# Allegro board PROC048A_BRD.brd (continued)
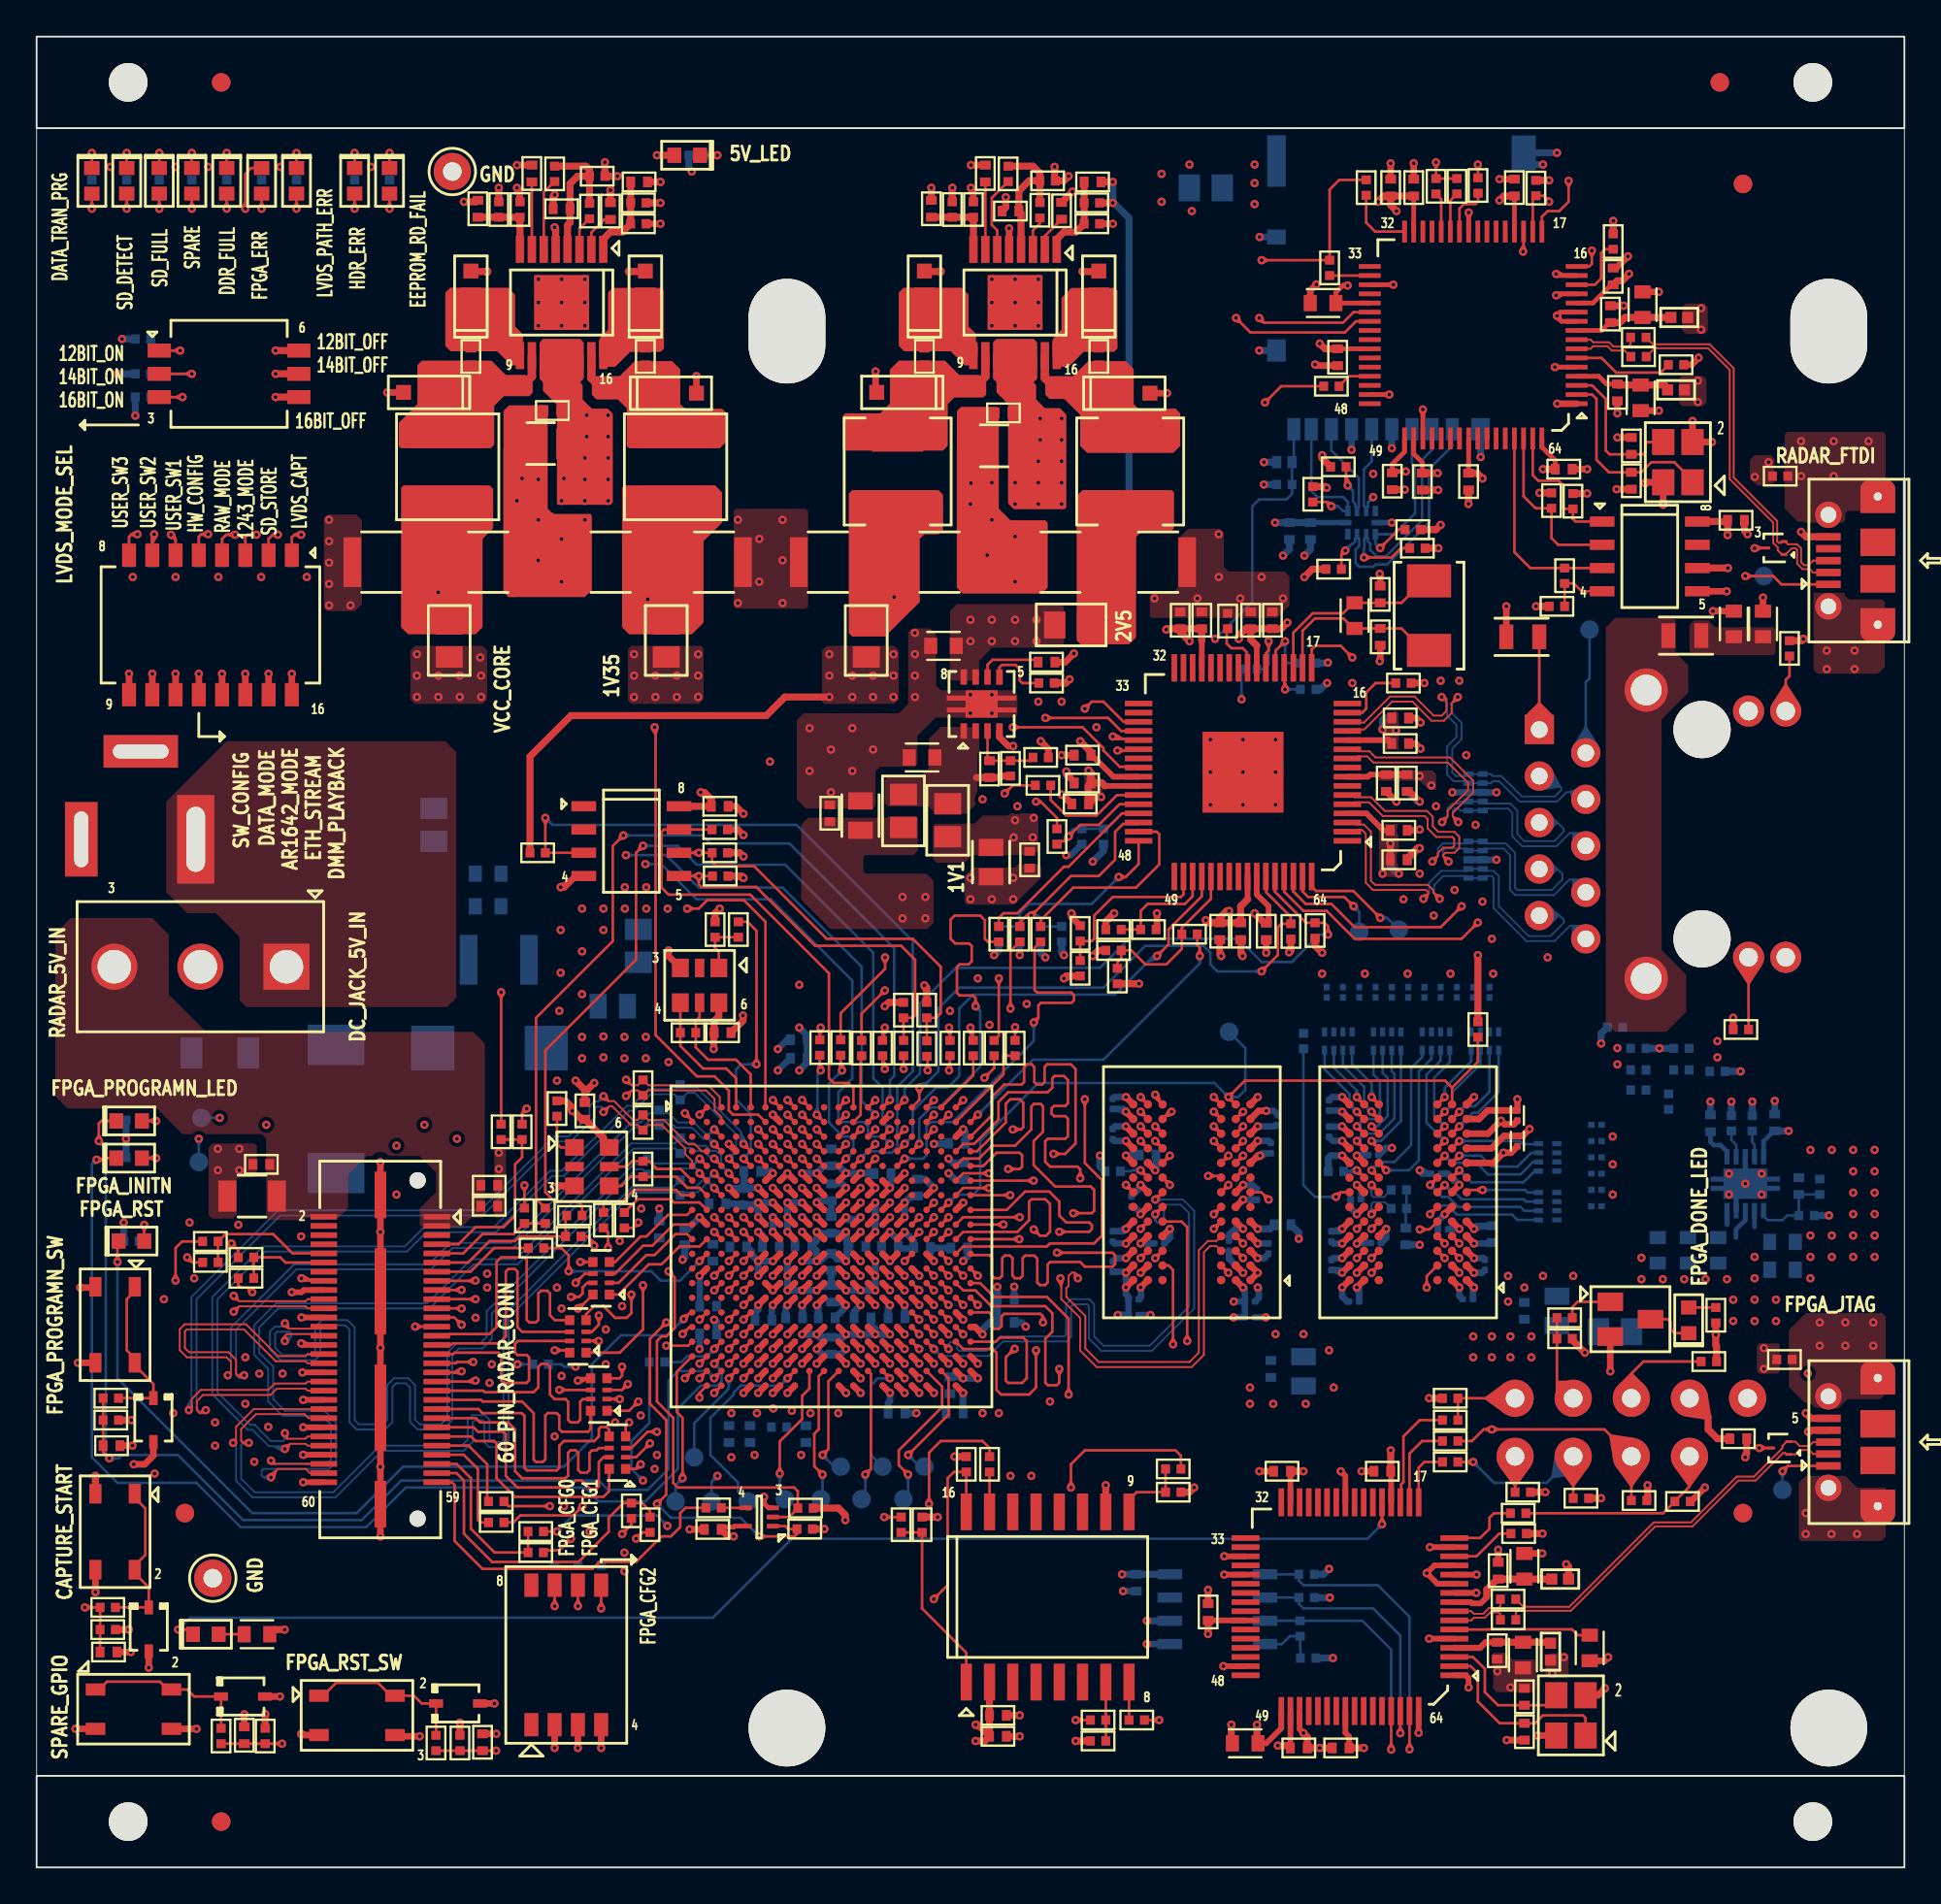
[diagram p0: board, top side]
## Footprints (pads in the part's own frame, mm; a bottom-side part is the same pattern mirrored in y, then rotated) (continued)
CAP0201
  rect 0.356x0.33 smd: 1(-0.28,0) 2(0.28,0)
CAP0201_0-5
  rect 0.356x0.33 smd: 1(-0.28,0) 2(0.28,0)
CAP0402
  rect 0.483x0.584 smd: 1(-0.46,0) 2(0.46,0)
CAP0402_0-75
  rect 0.483x0.584 smd: 1(-0.46,0) 2(0.46,0)
CAP0603_1
  rect 0.711x0.889 smd: 1(-0.7,0) 2(0.7,0)
CAP0805_1-5
  rect 0.94x1.346 smd: 1(-0.8,0) 2(0.8,0)
CAP1206
  rect 0.991x1.702 smd: 1(-1.35,0) 2(1.35,0)
CAP1210
  rect 0.965x2.718 smd: 1(-1.65,0) 2(1.65,0)
CAPT7343D_3-25
  rect 2.362x2.438 smd: 1(-3.1,0) 2(3.1,0)
CON_PMC2X30_QTH-30_P_S_S_4-3
  round 0.889 hole 1.016 unplated: (-9.24,2.04) (9.24,2.04)
  rect 0.305x1.448 smd: 1(-7.25,3.09) 2(-7.25,-3.08) 3(-6.75,3.09) 4(-6.75,-3.08) 5(-6.25,3.09) 6(-6.25,-3.08) 7(-5.75,3.09) 8(-5.75,-3.08) 9(-5.25,3.09) 10(-5.25,-3.08) 11(-4.75,3.09) 12(-4.75,-3.08) 13(-4.25,3.09) 14(-4.25,-3.08) 15(-3.75,3.09) 16(-3.75,-3.08) 17(-3.25,3.09) 18(-3.25,-3.08) 19(-2.75,3.09) 20(-2.75,-3.08) 21(-2.25,3.09) 22(-2.25,-3.08) 23(-1.75,3.09) 24(-1.75,-3.08) 25(-1.25,3.09) 26(-1.25,-3.08) 27(-0.75,3.09) 28(-0.75,-3.08) 29(-0.25,3.09) 30(-0.25,-3.08) 31(0.25,3.09) 32(0.25,-3.08) 33(0.75,3.09) 34(0.75,-3.08) 35(1.25,3.09) 36(1.25,-3.08) 37(1.75,3.09) 38(1.75,-3.08) 39(2.25,3.09) 40(2.25,-3.08) 41(2.75,3.09) 42(2.75,-3.08) 43(3.25,3.09) 44(3.25,-3.08) 45(3.75,3.09) 46(3.75,-3.08) 47(4.25,3.09) 48(4.25,-3.08) 49(4.75,3.09) 50(4.75,-3.08) 51(5.25,3.09) 52(5.25,-3.08) 53(5.75,3.09) 54(5.75,-3.08) 55(6.25,3.09) 56(6.25,-3.08) 57(6.75,3.09) 58(6.75,-3.08) 59(7.25,3.09) 60(7.25,-3.08)
  rect 2.54x0.635 smd: 61(-8.445,0.01) 64(8.445,0.01)
  rect 4.699x0.635 smd: 62(-3.175,0.01) 63(3.175,0.01)
CON_PWRJACK3_RAPC722_P_R_T
  rect 4.826x2.032 hole 3.556x1.016: 1(0,0.024)
  rect 4.064x1.778 hole 3.048x0.762: 2(0,-6.226)
  rect 1.778x4.064 hole 0.762x3.048: 3(4.8,-2.976)
CON_RJ45-14_LPJG16414A4NL_S_R_T_13-5
  round 3.124 hole 3.251 unplated: (0,-8.89) (11.43,-8.89)
  rect 1.6x1.6 hole 0.914: 1(0,0)
  round 1.6 hole 0.914: 2(1.27,-2.54) 3(2.54,0) 4(3.81,-2.54) 5(5.08,0) 6(6.35,-2.54) 7(7.62,0) 8(8.89,-2.54) 9(10.16,0) 10(11.43,-2.54)
  round 1.702 hole 1.016: 11(12.44,-11.43) 12(12.44,-13.46) 13(-1.01,-11.43) 14(-1.01,-13.46)
  round 2.362 hole 1.676: SH1(-2.16,-5.84) SH2(13.59,-5.84)
CON_SD8_DM3AT-SF_S_R_S_1-7
  rect 0.711x1.219 smd: 1(3.3,7.33) 2(2.2,7.33) 3(1.1,7.33) 4(0,7.33) 5(-1.1,7.33) 6(-2.2,7.33) 7(-3.3,7.33) 8(-4.4,7.33) 9(-5.35,7.33)
  rect 1.016x1.219 smd: 10(4.85,7.33) 11(-6.3,3.03)
  rect 1.016x0.813 smd: 12(-6.3,-3.17)
  rect 1.016x2.819 smd: 13(-6.3,-7.32)
  rect 1.321x1.905 smd: 14(7.2,-7.77)
CON_USBB5_105017-01_S_R_S_2-6
  rect 1.499x1.905 smd: (-1,-0.517) (1,-0.517)
  rect 0.406x1.346 smd: 1(-1.3,2.183) 2(-0.65,2.183) 3(0,2.183) 4(0.65,2.183) 5(1.3,2.183)
  round 1.448 hole 0.864: SH1(-2.5,2.183) SH2(2.5,2.183)
  custom 1.8x1.9 hole 0.61x1.321: SH3(-3.5,-0.517) SH4(3.5,-0.517)
DIO_DFN0402
  rect 0.508x0.66 smd: 1(-0.42,0) 2(0.42,0)
DIO_POWERDI-323_0-7
  rect 1.118x2.007 smd: 1(0,0.95)
  rect 0.813x0.813 smd: 2(0,-0.95)
DIO_SMC
  rect 2.21x3.099 smd: 1(-3.5,0) 2(3.5,0)
DIO_SOD323
  rect 0.762x0.457 smd: 1(-1.2,0) 2(1.2,0)
EMIFIL_BLM21P_0805_1-1
  rect 1.168x1.473 smd: 1(-0.9,0) 2(0.9,0)
EQFP64_19-68_400X400
  rect 1.499x0.305 smd: 1(-5.7,3.75) 2(-5.7,3.25) 3(-5.7,2.75) 4(-5.7,2.25) 5(-5.7,1.75) 6(-5.7,1.25) 7(-5.7,0.75) 8(-5.7,0.25) 9(-5.7,-0.25) 10(-5.7,-0.75) 11(-5.7,-1.25) 12(-5.7,-1.75) 13(-5.7,-2.25) 14(-5.7,-2.75) 15(-5.7,-3.25) 16(-5.7,-3.75) 33(5.7,-3.75) 34(5.7,-3.25) 35(5.7,-2.75) 36(5.7,-2.25) 37(5.7,-1.75) 38(5.7,-1.25) 39(5.7,-0.75) 40(5.7,-0.25) 41(5.7,0.25) 42(5.7,0.75) 43(5.7,1.25) 44(5.7,1.75) 45(5.7,2.25) 46(5.7,2.75) 47(5.7,3.25) 48(5.7,3.75)
  rect 0.305x1.499 smd: 17(-3.75,-5.7) 18(-3.25,-5.7) 19(-2.75,-5.7) 20(-2.25,-5.7) 21(-1.75,-5.7) 22(-1.25,-5.7) 23(-0.75,-5.7) 24(-0.25,-5.7) 25(0.25,-5.7) 26(0.75,-5.7) 27(1.25,-5.7) 28(1.75,-5.7) 29(2.25,-5.7) 30(2.75,-5.7) 31(3.25,-5.7) 32(3.75,-5.7) 49(3.75,5.7) 50(3.25,5.7) 51(2.75,5.7) 52(2.25,5.7) 53(1.75,5.7) 54(1.25,5.7) 55(0.75,5.7) 56(0.25,5.7) 57(-0.25,5.7) 58(-0.75,5.7) 59(-1.25,5.7) 60(-1.75,5.7) 61(-2.25,5.7) 62(-2.75,5.7) 63(-3.25,5.7) 64(-3.75,5.7)
  rect 4.42x4.42 smd: 65(0,0)
ETSSOP16_25-59_200X180
  rect 1.473x0.457 smd: 1(-2.9,2.275) 2(-2.9,1.625) 3(-2.9,0.975) 4(-2.9,0.325) 5(-2.9,-0.325) 6(-2.9,-0.975) 7(-2.9,-1.625) 8(-2.9,-2.275) 9(2.9,-2.275) 10(2.9,-1.625) 11(2.9,-0.975) 12(2.9,-0.325) 13(2.9,0.325) 14(2.9,0.975) 15(2.9,1.625) 16(2.9,2.275)
  rect 2.997x2.997 smd: 17(0,0)
FBGA78_31-49_360X520_1-2
  round 0.457 smd: A1(-3.2,4.8) A2(-2.4,4.8) A3(-1.6,4.8) A7(1.6,4.8) A8(2.4,4.8) A9(3.2,4.8) B1(-3.2,4) B2(-2.4,4) B3(-1.6,4) B7(1.6,4) B8(2.4,4) B9(3.2,4) C1(-3.2,3.2) C2(-2.4,3.2) C3(-1.6,3.2) C7(1.6,3.2) C8(2.4,3.2) C9(3.2,3.2) D1(-3.2,2.4) D2(-2.4,2.4) D3(-1.6,2.4) D7(1.6,2.4) D8(2.4,2.4) D9(3.2,2.4) E1(-3.2,1.6) E2(-2.4,1.6) E3(-1.6,1.6) E7(1.6,1.6) E8(2.4,1.6) E9(3.2,1.6) F1(-3.2,0.8) F2(-2.4,0.8) F3(-1.6,0.8) F7(1.6,0.8) F8(2.4,0.8) F9(3.2,0.8) G1(-3.2,0) G2(-2.4,0) G3(-1.6,0) G7(1.6,0) G8(2.4,0) G9(3.2,0) H1(-3.2,-0.8) H2(-2.4,-0.8) H3(-1.6,-0.8) H7(1.6,-0.8) H8(2.4,-0.8) H9(3.2,-0.8) J1(-3.2,-1.6) J2(-2.4,-1.6) J3(-1.6,-1.6) J7(1.6,-1.6) J8(2.4,-1.6) J9(3.2,-1.6) K1(-3.2,-2.4) K2(-2.4,-2.4) K3(-1.6,-2.4) K7(1.6,-2.4) K8(2.4,-2.4) K9(3.2,-2.4) L1(-3.2,-3.2) L2(-2.4,-3.2) L3(-1.6,-3.2) L7(1.6,-3.2) L8(2.4,-3.2) L9(3.2,-3.2) M1(-3.2,-4) M2(-2.4,-4) M3(-1.6,-4) M7(1.6,-4) M8(2.4,-4) M9(3.2,-4) N1(-3.2,-4.8) N2(-2.4,-4.8) N3(-1.6,-4.8) N7(1.6,-4.8) N8(2.4,-4.8) N9(3.2,-4.8)
FUSE_1206
  rect 1.194x1.702 smd: 1(-1.55,0) 2(1.55,0)
IND0402
  rect 0.61x0.61 smd: 1(-0.46,0) 2(0.46,0)
IND_IHLP2020CZ_230X215_SMD
  rect 1.905x2.794 smd: 1(-2.037,0) 2(2.037,0)
IND_NRS5020_200X200_SMD_3-1
  rect 4.013x1.524 smd: 1(0,-1.8) 2(0,1.8)
LED_0603
  rect 0.762x0.838 smd: 1(-0.7,0) 2(0.7,0)
LED_0603_0-8
  rect 0.762x0.838 smd: 1(-0.7,0) 2(0.7,0)
LQFP64_19-68_390X390
  rect 1.194x0.254 smd: 1(-5.65,3.75) 2(-5.65,3.25) 3(-5.65,2.75) 4(-5.65,2.25) 5(-5.65,1.75) 6(-5.65,1.25) 7(-5.65,0.75) 8(-5.65,0.25) 9(-5.65,-0.25) 10(-5.65,-0.75) 11(-5.65,-1.25) 12(-5.65,-1.75) 13(-5.65,-2.25) 14(-5.65,-2.75) 15(-5.65,-3.25) 16(-5.65,-3.75) 33(5.65,-3.75) 34(5.65,-3.25) 35(5.65,-2.75) 36(5.65,-2.25) 37(5.65,-1.75) 38(5.65,-1.25) 39(5.65,-0.75) 40(5.65,-0.25) 41(5.65,0.25) 42(5.65,0.75) 43(5.65,1.25) 44(5.65,1.75) 45(5.65,2.25) 46(5.65,2.75) 47(5.65,3.25) 48(5.65,3.75)
  rect 0.254x1.194 smd: 17(-3.75,-5.65) 18(-3.25,-5.65) 19(-2.75,-5.65) 20(-2.25,-5.65) 21(-1.75,-5.65) 22(-1.25,-5.65) 23(-0.75,-5.65) 24(-0.25,-5.65) 25(0.25,-5.65) 26(0.75,-5.65) 27(1.25,-5.65) 28(1.75,-5.65) 29(2.25,-5.65) 30(2.75,-5.65) 31(3.25,-5.65) 32(3.75,-5.65) 49(3.75,5.65) 50(3.25,5.65) 51(2.75,5.65) 52(2.25,5.65) 53(1.75,5.65) 54(1.25,5.65) 55(0.75,5.65) 56(0.25,5.65) 57(-0.25,5.65) 58(-0.75,5.65) 59(-1.25,5.65) 60(-1.75,5.65) 61(-2.25,5.65) 62(-2.75,5.65) 63(-3.25,5.65) 64(-3.75,5.65)
LQFP64_19-68_400X400
  rect 1.524x0.305 smd: 1(-5.7,3.75) 2(-5.7,3.25) 3(-5.7,2.75) 4(-5.7,2.25) 5(-5.7,1.75) 6(-5.7,1.25) 7(-5.7,0.75) 8(-5.7,0.25) 9(-5.7,-0.25) 10(-5.7,-0.75) 11(-5.7,-1.25) 12(-5.7,-1.75) 13(-5.7,-2.25) 14(-5.7,-2.75) 15(-5.7,-3.25) 16(-5.7,-3.75) 33(5.7,-3.75) 34(5.7,-3.25) 35(5.7,-2.75) 36(5.7,-2.25) 37(5.7,-1.75) 38(5.7,-1.25) 39(5.7,-0.75) 40(5.7,-0.25) 41(5.7,0.25) 42(5.7,0.75) 43(5.7,1.25) 44(5.7,1.75) 45(5.7,2.25) 46(5.7,2.75) 47(5.7,3.25) 48(5.7,3.75)
  rect 0.305x1.524 smd: 17(-3.75,-5.7) 18(-3.25,-5.7) 19(-2.75,-5.7) 20(-2.25,-5.7) 21(-1.75,-5.7) 22(-1.25,-5.7) 23(-0.75,-5.7) 24(-0.25,-5.7) 25(0.25,-5.7) 26(0.75,-5.7) 27(1.25,-5.7) 28(1.75,-5.7) 29(2.25,-5.7) 30(2.75,-5.7) 31(3.25,-5.7) 32(3.75,-5.7) 49(3.75,5.7) 50(3.25,5.7) 51(2.75,5.7) 52(2.25,5.7) 53(1.75,5.7) 54(1.25,5.7) 55(0.75,5.7) 56(0.25,5.7) 57(-0.25,5.7) 58(-0.75,5.7) 59(-1.25,5.7) 60(-1.75,5.7) 61(-2.25,5.7) 62(-2.75,5.7) 63(-3.25,5.7) 64(-3.75,5.7)
OSC6_ASEMP_130X100_SMD_0-9
  rect 0.914x1.016 smd: 1(-1.05,-0.95) 3(1.05,-0.95) 4(1.05,0.95) 6(-1.05,0.95)
  rect 0.508x1.016 smd: 2(0,-0.95) 5(0,0.95)
RES0402
  rect 0.483x0.508 smd: 1(-0.42,0) 2(0.42,0)
RES0402_0-5
  rect 0.483x0.508 smd: 1(-0.42,0) 2(0.42,0)
RES0603_0-75
  rect 0.711x0.889 smd: 1(-0.7,0) 2(0.7,0)
RES0805
  rect 0.762x1.346 smd: 1(-0.9,0) 2(0.9,0)
RESA_741C_0402-4_0-5
  rect 0.279x0.508 smd: 1(-0.75,-0.5) 2(-0.25,-0.5) 3(0.25,-0.5) 4(0.75,-0.5) 5(0.75,0.5) 6(0.25,0.5) 7(-0.25,0.5) 8(-0.75,0.5)
RESA_EXB28V_0402-4_0-5
  rect 0.533x0.508 smd: 1(-0.887,-0.45) 4(0.887,-0.45) 5(0.887,0.45) 8(-0.887,0.45)
  rect 0.254x0.508 smd: 2(-0.25,-0.45) 3(0.25,-0.45) 6(0.25,0.45) 7(-0.25,0.45)
SOIC8
  rect 1.346x0.559 smd: 1(-2.6,1.905) 2(-2.6,0.635) 3(-2.6,-0.635) 4(-2.6,-1.905) 5(2.6,-1.905) 6(2.6,-0.635) 7(2.6,0.635) 8(2.6,1.905)
SOIC8_1-8
  rect 1.346x0.559 smd: 1(-2.6,1.905) 2(-2.6,0.635) 3(-2.6,-0.635) 4(-2.6,-1.905) 5(2.6,-1.905) 6(2.6,-0.635) 7(2.6,0.635) 8(2.6,1.905)
SOIC16_W_2-7
  rect 2.007x0.61 smd: 1(-4.65,4.445) 2(-4.65,3.175) 3(-4.65,1.905) 4(-4.65,0.635) 5(-4.65,-0.635) 6(-4.65,-1.905) 7(-4.65,-3.175) 8(-4.65,-4.445) 9(4.65,-4.445) 10(4.65,-3.175) 11(4.65,-1.905) 12(4.65,-0.635) 13(4.65,0.635) 14(4.65,1.905) 15(4.65,3.175) 16(4.65,4.445)
SON8_25-59_120X120
  rect 0.838x0.356 smd: 1(-1.475,0.975) 2(-1.475,0.325) 3(-1.475,-0.325) 4(-1.475,-0.975) 5(1.475,-0.975) 6(1.475,-0.325) 7(1.475,0.325) 8(1.475,0.975)
  custom 1.5x3.8 smd: 9(0,0)
SON10_19-68_125X125_1
  rect 0.838x0.279 smd: 1(-1.475,1) 2(-1.475,0.5) 3(-1.475,0) 4(-1.475,-0.5) 5(-1.475,-1) 6(1.475,-1) 7(1.475,-0.5) 8(1.475,0) 9(1.475,0.5) 10(1.475,1)
  custom 1.65x3.8 smd: 11(0,0)
SOT553-5_0-6
  rect 0.66x0.254 smd: 1(-0.74,0.5) 2(-0.74,0) 3(-0.74,-0.5) 4(0.74,-0.5) 5(0.74,0.5)
SOT-3
  rect 0.381x0.152 smd: 1(-0.47,0.35) 2(-0.47,-0.35) 3(0.47,0)
SW3_500SSP1S2M2_510X260_TH_15-1
  rect 2.515x2.515 hole 1.829: 1(0,0)
  round 2.515 hole 1.829: 2(4.7,0) 3(9.4,0)
SW4_84X163_170X130_SMD
  rect 1.067x0.66 smd: 1(-2.075,1.075) 2(2.075,1.075) 3(-2.075,-1.075) 4(2.075,-1.075)
SW6_4161311608_210X230_SMD_2-7
  rect 0.762x1.27 smd: 1(-1.27,-3.81) 2(0,-3.81) 3(1.27,-3.81) 4(1.27,3.81) 5(0,3.81) 6(-1.27,3.81)
SW8_50X300_245X245_SMD
  rect 0.762x1.27 smd: 1(-1.905,-3.81) 2(-0.635,-3.81) 3(0.635,-3.81) 4(1.905,-3.81) 5(1.905,3.81) 6(0.635,3.81) 7(-0.635,3.81) 8(-1.905,3.81)
SW8_218-8LPST_450X230_SMD_2-7
  rect 0.762x1.27 smd: 1(-4.445,-3.81) 2(-3.175,-3.81) 3(-1.905,-3.81) 4(-0.635,-3.81) 5(0.635,-3.81) 6(1.905,-3.81) 7(3.175,-3.81) 8(4.445,-3.81) 9(4.445,3.81) 10(3.175,3.81) 11(1.905,3.81) 12(0.635,3.81) 13(-0.635,3.81) 14(-1.905,3.81) 15(-3.175,3.81) 16(-4.445,3.81)
TO_SOT23-123
  rect 1.016x1.397 smd: 1(-0.95,-1.1) 2(0.95,-1.1) 3(0,1.1)
TP40_SMD
  round 1.016 smd: 1(0,0)
TP_40X80
  round 2.032 hole 1.016: 1(0,0)
unnamed#2
  round 1.016 smd: (0,0)
unnamed#3
  oval 4.191x5.715 hole 4.318x5.842 unplated: (0,0)
unnamed#4
  round 2.108 hole 2.235 unplated: (0,0)
unnamed#5
  round 4.191 hole 4.318 unplated: (0,0)
UQFN10_19-68_80X60_0-6
  rect 0.584x0.305 smd: 1(-0.635,0.75) 4(-0.635,-0.75) 6(0.635,-0.75) 9(0.635,0.75)
  rect 0.584x0.254 smd: 2(-0.637,0.25) 3(-0.637,-0.25) 7(0.637,-0.25) 8(0.637,0.25)
  rect 0.305x0.635 smd: 5(0,-0.86) 10(0,0.86)
USON10_TPD4E05U_40X100_0-6
  rect 0.559x0.305 smd: 1(-0.385,1) 2(-0.385,0.5) 4(-0.385,-0.5) 5(-0.385,-1) 6(0.385,-1) 7(0.385,-0.5) 9(0.385,0.5) 10(0.385,1)
  rect 0.559x0.406 smd: 3(-0.385,0) 8(0.385,0)
XTAL4_86-61X62-99_130X105_SMD_0-6
  rect 1.422x1.219 smd: 1(-1.1,-0.8) 2(1.1,-0.8) 3(1.1,0.8) 4(-1.1,0.8)
XTAL_ABM3_205X130_SMD_1-4
  rect 1.803x2.413 smd: 1(-1.9,0) 2(1.9,0)

## Nets
1V1: C45.1 C46.1 C59.1 C60.1 C61.1 C66.1 C68.1 C71.1 C105.1 C106.1 C107.1 C111.1 FL6.2 U6.8(VDD1P1#8) U6.29(VDD1P1#29) U6.42(VDD1P1#42) U6.58(VDD1P1#58)
1V35: C143.2 C149.2 C167.1 C176.2 C177.1 C187.1 C191.2 C204.1 FL3.2 FL10.1 R69.1 R192.1 R193.1 R211.1 U12.H14(VCCIO2#H14) U12.H15(VCCIO2#H15) U12.J15(VCCIO2#J15) U12.L14(VCCIO3#L14) U12.L15(VCCIO3#L15) U12.L17(PR50B) U12.M15(VCCIO3#M15) U12.P17(PR53D) U12.T18(PR89D/LRC_GPLL0C_MFGOUT2) U12.T20(PR86C) U19.2(VLDOIN)
2V5: C52.1 C54.1 C55.1 C65.1 C67.1 C72.1 C103.1 C108.1 C153.2 C156.1 C158.2 FL1.2 FL9.2 R43.1 R53.1 U5.7(IN1) U5.8(IN2) U6.4(VDDA2P5#4) U6.12(VDDA2P5#12) U8.6(VDD) U12.H6(VCCIO7#H6) U12.H7(VCCIO7#H7) U12.J6(VCCIO7#J6)
2V5_A: C6.1 C42.1 C43.1 FL1.1 L4.2 R11.1
3V3: C7.1 C8.1 C9.1 C22.1 C33.1 C34.1 C35.1 C47.1 C48.1 C56.1 C62.1 C69.1 C70.1 C73.1 C80.2 C82.1 C83.1 C84.2 C87.1 C92.1 C94.1 C98.1 C101.1 C102.1 C104.1 C125.2 C127.2 C131.1 C142.2 C147.1 C166.2 C175.1 C201.1 C202.2 C205.1 C215.1 C216.1 FB1.1 FB2.1 FB3.1 FB4.1 FL4.2 J5.4(VDD) R7.1 R20.1 R28.1 R29.1 R30.1 R31.1 R32.1 R33.1 R34.1 R37.1 R40.1 R50.1 R51.1 R52.1 R55.2 R57.1 R58.1 R64.1 R65.2 R67.1 R68.1 R70.1 R83.1 R87.1 R89.1 R93.1 R103.1 R107.1 R111.1 R115.2 R117.1 R125.1 R131.1 R132.1 R133.2 R134.2 R144.1 R145.1 R147.1 R149.1 R153.1 R154.1 R158.1 R160.1 R162.1 R163.2 R164.2 R165.2 R166.2 R167.2 R168.2 R169.2 R170.2 R171.2 R172.1 R173.1 R174.1 R175.1 R176.1 R177.1 R178.1 R179.1 R180.1 R181.1 R183.1 R184.1 R186.2 R189.2 R201.1 R202.1 R215.1 R216.1 R217.1 R218.1 R219.1 R221.1 R222.2 R223.2 R224.2 TP4.1(TP) U3.20(VCCIO#20) U3.31(VCCIO#31) U3.42(VCCIO#42) U3.50(VREGIN) U3.56(VCCIO#56) U4.6(ORG*) U4.8(VCC) U6.23(VDDIO#23) U6.41(VDDIO#41) U6.57(VDDIO#57) U7.8(VCC) U9.6(VDD) U12.F9(VCCIO0#F9) U12.F10(VCCIO0#F10) U12.F11(VCCIO1#F11) U12.F12(VCCIO1#F12) U12.L6(VCCIO6#L6) U12.L7(VCCIO6#L7) U12.M6(VCCIO6#M6) U12.P9(VCCIO8#P9) U12.P10(VCCIO8#P10) U13.5(VCC) U14.2(VCC) U15.20(VCCIO#20) U15.31(VCCIO#31) U15.42(VCCIO#42) U15.50(VREGIN) U15.56(VCCIO#56) U16.10(VCC) U19.10(VIN) U20.6(ORG*) U20.8(VCC)
